# Altium PCB Motherboard.PcbDoc (part 3 of 3)
Units mm, origin at the board's own origin, x right, y up, seen from the top; angles counter-clockwise.
Board outline 66 x 126 mm, 6 copper layers (Top Layer, GND1, Signal, PWR, GND2, Bottom Layer), stack 1.496 mm thick; 239 components, 210 nets, 1046 pads, 630 vias.
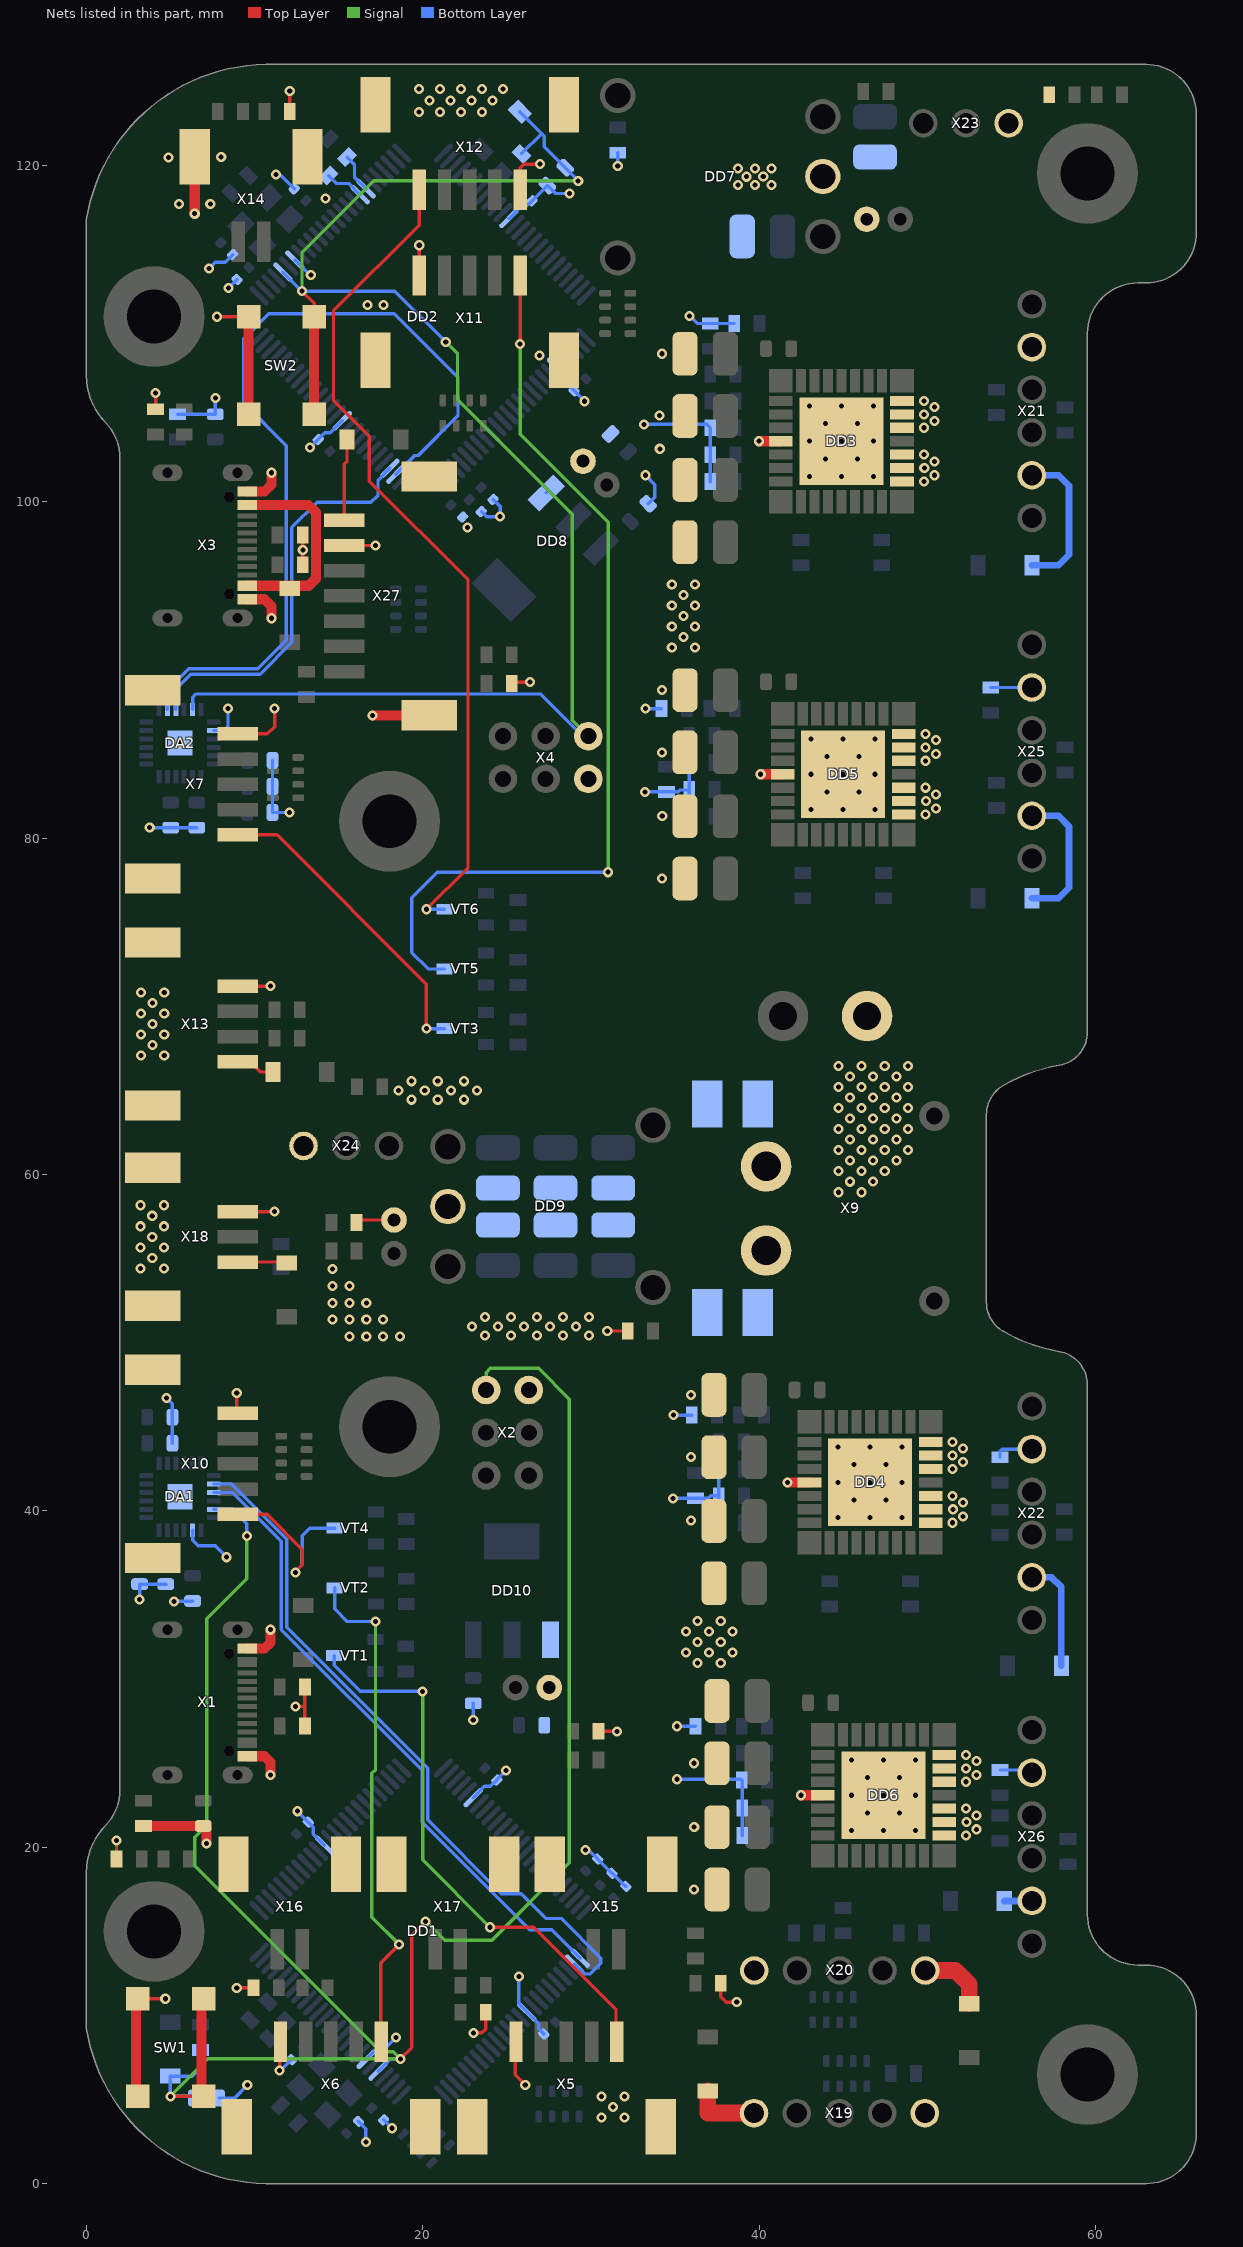
[diagram p7: the nets of this part, all layers, seen from the top]

## Via types
v1: diameter 0.6, hole 0.3, Top Layer to Bottom Layer, tented both sides, 626 vias
v2: diameter 0.6, hole 0.3, Top Layer to Bottom Layer, 4 vias

## Nets (pads, with @x,y where several pads share a name; then routed paths per layer and width w, separated by ;. In a path a pad name is that pad's centre, name@x,y a point inside that pad or via, vN(x,y) a via of type N, cw(c..) or ccw(c..) an arc to the next point about the centre after c; other vN are vias at no path point) (continued)
NetVD4_2: VD4.2 X3.9 | length 12.4
  Top Layer w0.6: X3.9@9.58,95.005 11.825,95.005 13.23,95.005 13.65,95.425 13.65,99.375 13.22,99.805 X3.9@9.58,99.805
NetVD7_1: VD7.1 X13.1 | length 2.4
  Top Layer w0.2: X13.1@8.95,66.7 9.75,66.7 10.35,66.1 VD7.1@11.1,66.1
NetVD8_1: VD8.1 X18.1 | length 3
  Top Layer w0.2: X18.1@8.95,54.8 11.875,54.8 VD8.1@11.925,54.75
NetVD9_1: VD9.1 X19.1 | length 4.1
  Top Layer w1: VD9.1@36.95,5.525 36.95,4.2 X19.1@39.7,4.2
NetVD10_1: VD10.1 X20.1 | length 4.1
  Top Layer w1: X20.1@49.88,12.68 51.67,12.68 52.5,11.85 VD10.1@52.5,10.7
NetVD11_1: VD11.1 X21.2 | length 9
  Bottom Layer w0.4: VD11.1@56.221,96.225 57.8,96.225 58.425,96.85 58.425,100.95 57.799,101.576 X21.2@56.221,101.576
NetVD12_1: VD12.1 X22.2 | length 6.7
  Bottom Layer w0.4: X22.2@56.221,36.056 57.394,36.056 57.975,35.475 VD12.1@57.975,30.8
NetVD13_1: VD13.1 X25.2 | length 8.6
  Bottom Layer w0.4: VD13.1@56.221,76.425 57.8,76.425 58.425,77.05 58.425,80.7 57.789,81.336 X25.2@56.221,81.336
NetVD14_1: VD14.1 X26.2 | length 1.6
  Bottom Layer w0.4: VD14.1@54.575,16.816 X26.2@56.221,16.816
NetVD15_1: VD15.1 X27.1 | length 4.9
  Top Layer w0.2: X27.1@15.35,98.9 15.35,102.225 15.5,102.375 VD15.1@15.5,103.7
NetVT1_3: VT1.3 X5.1 | length 33.6
  Top Layer w0.2: v1(24,15.25) 26.6,15.25 31.5,10.35 X5.1@31.5,8.45
  Signal w0.2: v1(20,29.275) 20,19.25 v1(24,15.25)
  Bottom Layer w0.2: VT1.3@14.74,31.405 14.74,30.835 16.3,29.275 v1(20,29.275)
NetVT2_3: VT2.3 X6.1 | length 30.2
  Top Layer w0.2: X6.1@17.5,8.45 17.5,13.125 v1(18.6,14.225)
  Signal w0.2: v1(17.2,33.425) 17.2,24.625 16.975,24.4 16.975,15.85 v1(18.6,14.225)
  Bottom Layer w0.2: VT2.3@14.765,35.43 14.765,34.185 15.525,33.425 v1(17.2,33.425)
NetVT3_3: VT3.3 X7.1 | length 18.7
  Top Layer w0.2: X7.1@8.95,80.2 11.35,80.2 20.225,71.325 v1(20.225,68.675)
  Bottom Layer w0.2: v1(20.225,68.675) VT3.3@21.29,68.675
NetVT4_3: VT4.3 X10.1 | length 10.7
  Top Layer w0.2: X10.1@8.95,39.8 10.75,39.8 12.85,37.7 12.85,37.079 12.839,37.069 12.839,36.798 12.45,36.409 v1(12.45,36.351)
  Bottom Layer w0.2: v1(12.45,36.351) 12.45,36.409 12.839,36.798 12.839,38.539 13.275,38.975 14.76,38.975 VT4.3@14.765,38.98
NetVT5_3: VT5.3 X11.1 | length 55.5
  Top Layer w0.2: v1(25.8,109.375) X11.1@25.8,113.45
  Signal w0.2: v1(25.8,109.375) 25.8,104 31.025,98.775 v1(31.025,77.975)
  Bottom Layer w0.2: VT5.3@21.29,72.225 20.325,72.225 19.35,73.2 19.35,76.45 20.875,77.975 v1(31.025,77.975)
NetVT6_3: VT6.3 X12.1 | length 50.3
  Top Layer w0.2: X12.1@19.8,118.55 19.8,116.45 14.7,111.35 14.7,106.025 16.825,103.9 16.825,101.231 22.7,95.356 22.7,78.25 v1(20.225,75.775)
  Bottom Layer w0.2: v1(20.225,75.775) VT6.3@21.29,75.775
NetX8_2: X8.2 X9.2
  other v1: 44.725,58.95 46.1,58.95 45.413,59.575 46.788,59.576 44.725,60.2 46.1,60.2 47.475,60.201 45.413,60.825 46.788,60.826 48.162,60.826 44.725,61.45 46.1,61.45 47.475,61.451 48.85,61.451 45.413,62.075 46.788,62.076 48.162,62.075 44.725,62.699 46.1,62.7 47.475,62.7 48.85,62.7 45.413,63.324 46.788,63.325 48.162,63.325 44.725,63.949 46.1,63.95 47.475,63.95 48.85,63.95 45.413,64.574 46.788,64.575 48.162,64.575 44.725,65.199 46.1,65.2 47.475,65.2 48.85,65.2 45.413,65.824 46.788,65.825 48.162,65.825 44.725,66.449 46.1,66.45 47.475,66.45 48.85,66.45
PGND: DD3.5 DD3.18 DD3.19 DD3.20 DD3.22 DD3.23 DD3.24 DD3.33 DD4.5 DD4.18 DD4.19 DD4.20 DD4.22 DD4.23 DD4.24 DD4.33 DD5.5 DD5.18 DD5.19 DD5.20 DD5.22 DD5.23 DD5.24 DD5.33 DD6.5 DD6.18 DD6.19 DD6.20 DD6.22 DD6.23 DD6.24 DD6.33 R102.1 R103.1 X9.1 С33.1 С34.1 С37.1 С38.1 С39.1 С40.1 С41.1 С42.1 С43.1 С44.1 С45.1 С46.1 С49.1 С50.1 С51.1 С52.1 | length 5.2
  Top Layer w0.6: v1(40,103.6) DD3.5@41.3,103.6 ; v1(40.1,83.8) DD5.5@41.4,83.8 ; v1(41.7,41.7) DD4.5@43,41.7 ; v1(42.5,23.1) DD6.5@43.8,23.1
  other v1: 36.125,17.5 52.3,20.7 45.5,21 47.4,21 49.3,21 52.925,21.075 36.146,21.221 52.325,21.5 52.925,21.9 46.45,22.05 48.35,22.05 52.3,22.3 45.5,23.1 47.4,23.1 49.3,23.1 52.3,23.9 46.45,24.15 48.35,24.15 52.925,24.3 52.3,24.7 36.125,25 52.925,25.125 45.5,25.2 47.4,25.2 49.3,25.2 52.3,25.5 36.35,30.95 37.725,30.95 35.663,31.575 37.038,31.575 38.412,31.575 36.35,32.2 37.725,32.2 35.663,32.825 37.038,32.825 38.412,32.825 36.35,33.45 37.725,33.45 51.5,39.3 35.966,39.421 44.7,39.6 46.6,39.6 48.5,39.6 52.125,39.675 51.525,40.1 52.125,40.5 45.65,40.65 47.55,40.65 51.5,40.9 44.7,41.7 46.6,41.7 48.5,41.7 51.5,42.5 45.65,42.75 47.55,42.75 52.125,42.9 35.945,43.2 51.5,43.3 52.125,43.725 44.7,43.8 46.6,43.8 48.5,43.8 51.5,44.1 35.945,46.9 34.225,77.6 34.246,81.321 49.9,81.4 43.1,81.7 45,81.7 46.9,81.7 50.525,81.775 49.925,82.2 50.525,82.6 44.05,82.75 45.95,82.75 49.9,83 43.1,83.8 45,83.8 46.9,83.8 49.9,84.6 44.05,84.85 45.95,84.85 50.525,85 34.225,85.1 49.9,85.4 50.525,85.825 43.1,85.9 45,85.9 46.9,85.9 49.9,86.2 34.225,88.8 34.813,91.325 36.187,91.325 35.5,91.95 34.813,92.575 36.187,92.575 35.5,93.2 34.813,93.825 36.187,93.825 35.5,94.45 34.813,95.075 36.187,95.075 49.8,101.2 43,101.5 44.9,101.5 46.8,101.5 50.425,101.575 49.825,102 50.425,102.4 43.95,102.55 45.85,102.55 49.8,102.8 34.1,103.15 43,103.6 44.9,103.6 46.8,103.6 49.8,104.4 43.95,104.65 45.85,104.65 50.425,104.8 34.075,105.125 49.8,105.2 50.425,105.625 43,105.7 44.9,105.7 46.8,105.7 49.8,106 34.225,108.8
RESET: DA1.23 DD1.30 R5.1 SW1.2 VD2.2 X2.5 С11.2 | length 124.7
  Top Layer w0.2: v1(5,5.2) SW1.2@6.85,5.2 ; v1(18.681,7.427) 19.35,8.096 19.35,14.775 v1(20.179,15.604)
  Top Layer w0.6: SW1.2@6.85,5.2 SW1.2@6.85,11
  Signal w0.2: v1(5,5.2) 7.227,7.427 v1(18.681,7.427) 18.257,7.85 17.5,7.85 6.45,18.9 6.45,20.6 7.175,21.325 7.175,33.6 9.55,35.975 v1(9.55,38.5) ; v1(20.179,15.604) 21.308,14.475 24.125,14.475 28.725,19.075 28.725,46.65 26.9,48.475 24.022,48.475 23.775,48.228 X2.5@23.775,47.19
  Bottom Layer w0.2: С11.2@6.4,5.1 6.3,5.2 v1(5,5.2) VD2.2@5,6.4 6.3,6.4 6.8,6.9 R5.1@6.8,7.95 ; DA1.23@7.575,40.1 8.704,40.1 9.55,39.254 v1(9.55,38.5) ; DD1.30@17.348,6.691 17.375,6.691 18.111,7.427 v1(18.681,7.427)
RESET_MCU2: DA2.23 DD2.30 R13.1 SW2.2 VD5.2 X4.5 С28.2 | length 98.6
  Top Layer w0.2: v1(12.825,112.525) 13.55,111.8 SW2.2@13.55,111
  Top Layer w0.6: SW2.2@13.55,105.2 SW2.2@13.55,111
  Signal w0.2: v1(12.825,112.525) 12.825,114.8 17.1,119.075 v1(29.25,119.075) ; v1(21.375,109.5) 22.075,108.8 22.075,106.075 28.9,99.25 28.9,87.02 X4.5@29.855,86.065
  Bottom Layer w0.2: DA2.23@6.325,87.65 6.325,88.375 6.525,88.575 27,88.575 X4.5@29.45,86.125 ; DD2.30@11.691,113.658 v1(12.825,112.525) 18.35,112.525 v1(21.375,109.5) ; VD5.2@25.779,123.186 27.082,121.882 ; R13.1@25.877,120.684 27.075,121.882 27.082,121.882 ; v1(29.25,119.075) 29.25,119.08 28.475,119.855 С28.2@28.475,119.861 27.236,121.099 27.236,121.729 27.082,121.882
Rx0_MCU1: DA1.20 DD1.3 | length 42
  Bottom Layer w0.2: DA1.20@7.575,41.6 8.65,41.6 11.925,38.325 11.925,33.09 20.3,24.715 20.3,21.633 24.683,17.25 25.858,17.25 27.333,15.775 28.241,15.775 30.6,13.416 30.6,13.1 29.975,12.475 29.623,12.475 29.043,13.055 DD1.3@29.016,13.055
Rx0_MCU2: DA2.20 DD2.2 | length 50.8
  Bottom Layer w0.2: DA2.20@4.825,87.65 4.825,88.81 6.09,90.075 10.2,90.075 11.9,91.775 11.9,103.325 9.35,105.875 9.35,109.675 10.85,111.175 18.325,111.175 22.1,107.4 22.1,105.1 19.75,102.75 19.522,102.75 DD2.2@18.409,101.637
SCL_MCU2: DD2.43 R16.2 | length 2.4
  Bottom Layer w0.2: R16.2@14.4,119.4 14.875,118.925 15.6,118.925 16.271,118.254 DD2.43@16.288,118.254
SDA_MCU2: DD2.44 R15.2 | length 2.4
  Bottom Layer w0.2: R15.2@15.5,120.5 15.95,120.05 15.95,119.299 DD2.44@16.641,118.607
SGND: DA1.2 DA2.2 DD1.11 DD1.32 DD1.62 DD1.81 DD2.11 DD2.32 DD2.62 DD2.81 DD7.2 DD8.1 DD9.2 DD10.1 R2.2 R3.2 R4.2 R10.2 R11.2 R12.2 R17.1 R18.2 R19.1 R21.1 R23.1 R24.2 R31.2 R32.2 R33.2 R34.2 R35.2 R36.2 R37.2 R38.2 R39.2 R40.2 R41.2 R42.2 R49.2 R51.2 R53.1 R54.1 R55.1 R56.1 R72.1 R74.1 R76.1 R78.1 R96.1 R97.1 R102.2 R103.2 SW1.1 SW2.1 VD3.2 VD6.2 VD16.2 VD17.1 VD18.2 VD19.1 VD20.2 VD21.1 VD22.2 VD23.1 X1.10 X2.6 X3.10 X4.6 X5.0 X5.5 X6.0 X6.5 X7.0 X7.5 X10.0 X10.5 X11.0 X11.5 X12.0 X12.5 X13.0 X13.4 X14.0 X15.0 X16.0 X17.0 X18.0 X18.3 X19.5 X20.5 X21.5 X22.5 X23.3 X24.3 X25.5 X26.5 X27.0 X27.2 С1.1 С2.1 С3.1 С4.2 С5.1 С6.2 С7.2 С8.1 С9.1 С10.1 С11.1 С12.1 С13.1 С14.1 С15.1 С16.1 С17.1 С18.1 С19.2 С20.1 С21.1 С22.1 С23.1 С24.1 С25.1 С26.1 С27.1 С28.1 С29.1 С30.1 С31.1 С32.1 С53.1 С54.1 С55.1 С56.1 С57.1 С58.1 С59.1 С60.1 С61.1 С62.1 С63.1 С64.1 | length 176.5
  Top Layer w0.2: VD3.2@1.8,19.3 v1(1.8,20.4) ; SW1.1@2.95,11 v1(4.7,11) ; VD6.2@4.125,105.5 v1(4.125,106.475) ; v1(7.775,111) SW2.1@9.65,111 ; v1(8.95,11.65) R76.1@9.95,11.65 ; X10.5@8.95,45.8 v1(8.95,47.025) ; X18.3@8.95,57.8 v1(11.2,57.8) ; X13.4@8.95,71.2 v1(10.95,71.2) ; X7.5@8.95,86.2 10.775,86.2 11.2,86.625 v1(11.2,87.7) ; v1(11.5,6.725) X6.5@11.5,8.45 ; R72.1@12.1,123.2 v1(12.1,124.425) ; v1(12.45,28.375) 13,28.375 ; R11.2@12.875,96.25 v1(12.875,97.138) R10.2@12.875,98.025 ; R2.2@13,27.225 13,28.375 ; R3.2@13,29.525 13,28.375 ; X27.2@15.35,97.4 v1(17.2,97.4) ; VD20.2@16.075,57.15 16.225,57.3 VD21.1@18.3,57.3 ; X11.5@19.8,113.45 v1(19.8,115.25) ; v1(23.025,8.975) 23.525,8.975 23.75,9.2 R78.1@23.75,10.2 ; VD16.2@25.3,89.2 25.375,89.275 v1(26.385,89.275) ; X5.5@25.5,8.45 25.5,6.475 v1(26.1,5.875) ; X12.5@25.8,118.55 25.8,119.85 26.025,120.075 v1(26.975,120.075) ; VD22.2@30.45,26.9 v1(31.55,26.9) ; v1(30.975,50.7) R97.1@32.19,50.7 ; R74.1@37.725,11.925 37.725,11.125 38.048,10.802 v1(38.677,10.802)
  Top Layer w0.6: SW1.1@2.95,5.2 SW1.1@2.95,11 ; R4.2@3.308,21.272 С4.2@6.955,21.272 7.1,21.272 7.15,21.222 v1(7.15,20.225) ; v1(6.45,117.125) X14.0@6.45,120.5 ; X1.10@9.58,25.42 10.599,25.42 10.95,25.069 v1(10.95,24.3) ; X1.10@9.58,31.82 10.599,31.82 10.95,32.171 v1(10.95,32.94) ; X3.10@9.58,94.205 10.595,94.205 11.025,93.775 v1(11.025,93.075) ; X3.10@9.58,100.605 10.605,100.605 11.025,101.025 v1(11.025,101.725) ; SW2.1@9.65,105.2 SW2.1@9.65,111 ; v1(17.025,87.3) X27.0@20.4,87.3
  Bottom Layer w0.2: v1(3.175,34.725) С14.1@3.175,35.65 С16.1@4.725,35.65 ; v1(3.775,80.625) С31.1@6.575,80.625 ; С16.1@4.641,35.625 С16.1@4.75,35.625 ; v1(4.775,46.725) 5.125,46.375 С13.1@5.125,44.025 ; v1(5.225,34.625) 5.237,34.637 6.312,34.637 С12.1@6.325,34.65 ; R12.2@5.425,105.2 С19.2@7.675,105.2 v1(7.675,106.175) ; DA1.2@6.325,38.85 6.325,38.25 6.65,37.925 7.675,37.925 v1(8.35,37.25) ; v1(7.3,113.875) 7.671,114.246 8.26,114.246 С22.1@8.707,114.693 ; DA2.2@7.575,86.4 8.2,86.4 8.425,86.625 v1(8.425,87.7) ; С11.1@7.9,5.1 8.825,5.1 9.575,5.85 v1(9.575,5.875) ; v1(8.45,112.7) С17.1@8.968,113.218 ; С27.1@11.075,84.625 С30.1@11.075,83.075 С32.1@11.075,81.525 v1(12.075,81.525) ; v1(11.275,119.45) 11.352,119.373 11.602,119.373 С23.1@12.368,118.607 ; v1(11.5,6.725) 11.527,6.725 12.18,7.379 С7.2@12.207,7.379 ; DD2.32@12.399,114.365 12.426,114.365 13.315,113.475 v1(13.35,113.475) ; v1(12.55,22.15) С5.1@13.2,21.5 13.5,21.2 13.5,20.793 DD1.62@14.166,20.127 ; v1(13.3,103.225) 13.305,103.225 13.787,103.707 С25.1@13.793,103.707 14.186,104.1 14.508,104.1 DD2.11@15.227,104.819 ; С6.2@16.182,3.707 16.625,3.264 v1(16.625,2.475) ; DD1.32@16.641,7.399 17.368,8.125 17.85,8.125 v1(18.425,8.7) ; С2.1@17.675,3.8 v1(18.175,3.3) ; DD1.81@23.005,22.955 23.675,23.625 24.032,23.625 С8.1@24.411,24.004 24.411,24.02 24.95,24.559 v1(24.95,24.575) ; v1(23.009,27.565) С63.1@23.009,28.565 ; С26.1@23.502,99.418 23.802,99.118 v1(24.607,99.118) 24.607,99.718 С24.1@24.182,100.143 ; DD2.62@25.127,116.84 25.154,116.84 25.814,117.5 26.114,117.5 С21.1@26.507,117.893 С28.1@27.414,118.8 27.435,118.8 27.907,118.328 v1(28.727,118.328) ; v1(25.725,12.325) 25.725,10.76 25.744,10.741 25.744,10.67 DD1.11@26.187,10.227 26.9,9.514 26.9,9.225 27.2,8.925 С3.1@27.2,8.9 ; DD2.81@27.955,108.001 28.625,107.331 28.625,106.975 v1(29.625,105.975) ; v1(29.675,19.85) 29.752,19.773 29.946,19.773 30.407,19.312 С9.1@30.407,19.307 С10.1@31.257,18.457 31.282,18.457 32.057,17.682 С1.1@32.082,17.682 ; v1(31.6,119.95) R96.1@31.6,120.75 ; v1(33.15,104.6) R33.2@35.6,104.6 36.9,104.6 R21.1@37.1,104.4 R31.2@37.1,102.8 R23.1@37.1,101.2 ; v1(33.225,82.75) R39.2@34.5,82.75 35.2,82.75 35.317,82.867 35.817,82.867 R41.2@35.85,82.9 ; v1(33.25,87.7) R37.2@34.2,87.7 ; v1(33.25,101.575) 33.8,101.025 33.8,100.275 С56.1@33.405,99.88 ; v1(34.875,40.75) 36.975,40.75 37.125,40.9 R32.2@37.6,40.9 ; v1(34.925,45.7) R36.2@36,45.7 ; v1(35.125,27.2) R38.2@36.225,27.2 ; v1@35.175,24.05 R40.2@37.525,24.05 38.925,24.05 R51.2@38.975,24 39,23.975 R54.1@39,20.7 ; R53.1@35.85,81.3 R41.2@35.85,82.9 ; R49.2@35.85,84.5 R41.2@35.85,82.9 ; v1(35.875,111.05) 36.325,110.6 R17.1@38.525,110.6 ; R24.2@37.6,39.3 R32.2@37.6,40.9 ; R19.1@37.6,42.5 R32.2@37.6,40.9 ; R55.1@53.775,88.956 X25.5@56.221,88.956 ; R56.1@54.325,24.6 56.058,24.6 X26.5@56.221,24.436 ; R18.2@54.325,43.2 54.325,43.55 54.451,43.676 X22.5@56.221,43.676
  Bottom Layer w1: VD21.1@18.2,57.4 VD21.1@18.3,57.3
  other v1: 30.638,3.95 32.012,3.95 31.325,4.575 30.638,5.2 32.012,5.2 35.125,24.05 15.65,50.375 16.65,50.375 17.65,50.375 18.65,50.375 23.7,50.425 25.25,50.425 26.8,50.425 28.35,50.425 29.9,50.425 22.925,50.975 24.475,50.975 26.025,50.975 27.575,50.975 29.125,50.975 14.65,51.375 15.644,51.381 16.65,51.375 17.65,51.375 23.7,51.525 25.25,51.525 26.8,51.525 28.35,51.525 29.9,51.525 14.65,52.375 15.65,52.375 16.65,52.375 14.65,53.375 15.65,53.375 14.65,54.375 3.238,54.425 4.613,54.425 3.925,55.05 3.238,55.675 4.613,55.675 3.925,56.3 3.238,56.925 4.613,56.925 3.925,57.55 3.238,58.175 4.613,58.175 19.35,64.45 20.9,64.45 22.45,64.45 18.575,65 20.125,65 21.675,65 23.225,65 19.35,65.55 20.9,65.55 22.45,65.55 3.263,67.075 4.637,67.075 3.95,67.7 3.263,68.325 4.637,68.325 3.95,68.95 3.263,69.575 4.637,69.575 3.95,70.2 3.263,70.825 4.637,70.825 22.675,98.475 26.95,108.7 16.725,111.7 17.675,111.7 5.525,117.7 7.375,117.7 14.225,118.025 38.75,118.825 39.75,118.825 40.75,118.825 39.25,119.325 40.25,119.335 38.75,119.825 39.75,119.825 40.75,119.825 4.9,120.475 8.025,120.5 19.775,123.163 21.025,123.163 22.275,123.163 23.525,123.163 20.4,123.85 21.65,123.85 22.9,123.85 24.15,123.85 19.775,124.538 21.025,124.538 22.275,124.538 23.525,124.538 24.775,124.538
  other v2: 5.575,40.85 5.575,85.65
Tx0_MCU1: DA1.21 DD1.2 | length 38.1
  Bottom Layer w0.2: DA1.21@7.575,41.1 8.69,41.1 11.6,38.19 11.6,32.951 19.975,24.576 19.975,21.483 26.355,15.102 27.676,15.102 DD1.2@29.369,13.409
Tx0_MCU2: DA2.21 DD2.3 | length 23.9
  Bottom Layer w0.2: DA2.21@5.325,87.65 5.325,88.85 6.225,89.75 9.81,89.75 10.335,89.75 12.225,91.64 12.225,98.474 13.726,99.975 16.925,99.975 17.35,100.4 17.35,101.285 DD2.3@18.055,101.99
pads on no net: DA1.1 DA1.9 DA1.10 DA1.11 DA1.12 DA1.13 DA1.14 DA1.15 DA1.16 DA1.17 DA1.18 DA1.19 DA1.22 DA1.24 DA2.1 DA2.9 DA2.10 DA2.11 DA2.12 DA2.13 DA2.14 DA2.15 DA2.16 DA2.17 DA2.18 DA2.19 DA2.22 DA2.24 DD1.4 DD1.8 DD1.9 DD1.14 DD1.23 DD1.24 DD1.25 DD1.27 DD1.28 DD1.29 DD1.38 DD1.39 DD1.40 DD1.41 DD1.42 DD1.47 DD1.48 DD1.49 DD1.50 DD1.51 DD1.52 DD1.53 DD1.54 DD1.65 DD1.66 DD1.67 DD1.68 DD1.69 DD1.70 DD1.71 DD1.72 DD1.73 DD1.74 DD1.75 DD1.79 DD1.85 DD1.86 DD1.87 DD1.88 DD1.89 DD1.90 DD1.91 DD1.92 DD1.93 DD1.94 DD1.95 DD1.96 DD2.4 DD2.8 DD2.9 DD2.14 DD2.19 DD2.25 DD2.27 DD2.28 DD2.29 DD2.35 DD2.36 DD2.37 DD2.38 DD2.39 DD2.40 DD2.41 DD2.42 DD2.47 DD2.48 DD2.49 DD2.50 DD2.51 DD2.52 DD2.53 DD2.54 DD2.55 DD2.56 DD2.57 DD2.58 DD2.59 DD2.60 DD2.63 DD2.64 DD2.65 DD2.66 DD2.67 DD2.68 DD2.69 DD2.70 DD2.71 DD2.72 DD2.73 DD2.74 DD2.75 DD2.76 DD2.77 DD2.78 DD2.79 DD2.82 DD2.83 DD2.84 DD2.85 DD2.86 DD2.87 DD2.88 DD2.89 DD2.90 DD2.91 DD2.92 DD2.93 DD3.9 DD3.17 DD3.25 DD4.9 DD4.17 DD4.25 DD5.9 DD5.17 DD5.25 DD6.9 DD6.17 DD6.25 DD7.5 DD8.4 DD9.5 DD10.4 R57.7 R57.8 R58.7 R58.8 R59.7 R59.8 R64.7 R64.8 R66.7 R66.8 R68.7 R68.8 R81.7 R81.8 R83.7 R83.8 X1. X1.1 X1.7 X3. X3.1 X3.7 X9.0 XT1.2 XT1.4 XT2.2 XT2.4
copper on no net:
  other v1: 14.725,16.175 10.175,18.025

## Polygon pours and split planes (outlines as drawn)
SGND on Top Layer "Dec_TOP" (solid, remove dead copper, pour order 210): 0,0 66.006,0 66.006,126.006 0,126.006
+5В on Top Layer "+5В_L01_P208" (solid, pour order 208): 35.175,8.275 35.175,9.5 36.025,10.35 37.9,10.35 38.725,9.525 38.725,8.275
+5В on Top Layer "+5В_L01_P209" (solid, pour order 209): 54.275,7.95 54.275,6.725 53.425,5.875 51.55,5.875 50.725,6.7 50.725,7.95
NetR12_1 on Top Layer "NETR12_1_L01_P206" (solid, pour order 206): 9.975,103.01 2.1,103.01 2.1,92.31 2.66,91.75 9.965,91.75 10.525,92.31 10.525,102.46
SGND on Top Layer "SGND_L01_P201" (solid, pour order 201): 16.3,106.75 18.1,106.75 18.1,111.875 17.7,112.275 16.7,112.275 16.3,111.875
NetR4_1 on Top Layer "NETR4_1_L01_P190" (solid, pour order 190): 9.975,34.225 2.1,34.225 2.1,23.525 2.1,22.825 2.5,22.425 3.2,22.425 9.425,22.425 10.525,23.525 10.525,33.675
+3S on Top Layer "Top Layer-+3S" (solid, pour order 173): 22.998,62.1 31.775,62.1 32.425,62.75 32.425,63.434 33.191,64.2 35.15,64.2 35.15,62.1 35.15,50.035 36.248,48.85 38.975,48.85 38.975,34.4 39.15,34.4 39.15,15.125 39.525,14.75 45.225,14.75 46.1,15.625 46.1,20.2 45.5,20.2 42,20.6 42,21.55 44.5,21.55 44.5,24.6 42,24.65 42,26.875 45.5,26 46.1,26 46.1,31.375 45.3,32.175 45.3,38.8 44.7,38.8 41.2,39.225 41.2,40.175 43.7,40.175 43.7,43 41.2,43.25 41.2,45.425 44.7,44.6 45.3,44.6 45.3,48.85 44.725,49.425 44.725,72.33 43.846,72.33 43.85,72.334 43.862,74.762 43.7,74.925 43.7,80.9 43.1,80.9 39.6,81.325 39.6,82.25 42.074,82.099 42.1,82.125 42.1,85.1 39.6,85.325 39.601,85.7 39.6,87.45 39.9,87.575 40.373,87.628 41.525,86.7 43.7,86.7 43.7,95.25 43.6,96.125 43.6,100.7 43,100.7 39.501,101.1 39.5,101.101 39.5,102.099 41.974,102.099 42,102.125 42,105.1 39.501,105.1 39.5,105.101 39.5,107.101 39.745,107.101 40.273,107.628 41.401,106.5 43.6,106.5 43.6,110.25 43.6,112.822 45.4,114.397 45.4,116.975 44.725,117.65 42.55,117.65 37.25,112.35 37.25,96.3 37.25,75.3 34.649,72.699 34.649,68.371 33.798,67.525 31.525,67.525 28.825,64.825 23.8,64.825 22.575,63.6 22.575,62.523
NetX8_2 on Top Layer "NETX8_2_L01_P099" (solid, pour order 99): 44.05,72.35 44.05,66.075 42.45,64.475 39.175,64.475 37.6,62.9 37.6,59.275 38.875,58 46.575,58 49.45,60.875 49.45,70.75 47.85,72.35
MOTOR1_A on Top Layer "MOTOR1_A_L01_P100" (solid, pour order 100): 43.805,100.708 46.805,100.708 46.805,98.683 47.904,98.683 53.511,98.683 53.517,99.87 54.276,100.625 57.5,100.625 58.225,99.9 58.225,96.475 56.125,94.375 45.4,94.375 43.805,95.97
MOTOR4_B on Top Layer "MOTOR4_B_L01_P117" (solid, pour order 117): 46.3,26 49.3,26 49.3,27.65 50.15,28.5 51.625,28.5 54.625,25.5 57.5,25.5 58.25,26.25 58.25,28.5 56.225,30.525 54.85,30.525 53.175,32.2 48.6,32.2 46.3,29.9
MOTOR1_B on Top Layer "MOTOR1_B_L01_P103" (solid, pour order 103): 43.8,106.5 46.8,106.5 46.8,108.05 48.875,110.125 56.225,110.125 57.5,110.125 58.25,110.875 58.25,113.075 57.5,113.825 47.375,113.825 43.8,110.25
MOTOR4_A on Top Layer "MOTOR4_A_L01_P116" (solid, pour order 116): 46.3,20.2 49.3,20.2 49.3,18.675 50.35,17.625 53.6,17.625 55.35,15.875 57.5,15.875 58.25,15.125 58.25,13.075 57.5,12.325 53.875,12.325 52.125,14.075 47.85,14.075 46.3,15.625
MOTOR3_A on Top Layer "MOTOR3_A_L01_P118" (solid, pour order 118): 45.5,38.8 48.5,38.8 48.5,36.3 54.5,36.3 55.45,35.35 55.75,35.125 57.5,35.125 58.25,34.375 58.25,32.427 58.25,31.675 57.5,30.925 55.05,30.925 53.375,32.6 46,32.6 45.5,33.1
MOTOR3_B on Top Layer "MOTOR3_B_L01_P119" (solid, pour order 119): 45.5,46 45.5,44.6 48.5,44.6 48.5,46.25 49.35,47.1 51.325,47.1 53.8,44.625 57.5,44.625 58.25,45.375 58.25,47.85 57.526,48.575 55.175,48.575 53.4,50.35 47,50.35 45.5,48.85
PGND on Top Layer "Top Layer-PGND" (solid, pour order 110): 36.95,16.2 38.25,16.2 38.25,30 38.825,30 38.825,34.4 38.07,34.4 38.07,48.2 36.775,48.2 35.445,46.87 35.445,34.4 35.25,34.205 35.25,30.375 35.625,30 35.625,17.525
PGND on Top Layer "PGND_L01_P115" (solid, pour order 115): 50.3,25.8 52.525,25.8 cw(c52.525,25.1) 53.225,25.1 53.225,24.275 cw(c52.55,24.275) 52.55,23.6 50.3,23.6
PGND on Top Layer "PGND_L01_P114" (solid, pour order 114): 50.3,22.6 52.525,22.6 cw(c52.525,21.9) 53.225,21.9 53.225,21.075 cw(c52.55,21.075) 52.55,20.4 50.3,20.4
PGND on Top Layer "PGND_L01_P113" (solid, pour order 113): 49.5,44.4 51.725,44.4 cw(c51.725,43.7) 52.425,43.7 52.425,42.875 cw(c51.75,42.875) 51.75,42.2 49.5,42.2
PGND on Top Layer "PGND_L01_P112" (solid, pour order 112): 49.5,41.2 51.725,41.2 cw(c51.725,40.5) 52.425,40.5 52.425,39.675 cw(c51.75,39.675) 51.75,39 49.5,39
MOTOR2_A on Top Layer "MOTOR2_A_L01_P109" (solid, pour order 109): 43.9,80.9 46.9,80.9 46.9,78.875 ccw(c47.449,78.874) 47.45,78.325 53.339,78.325 53.825,78.325 53.825,79.625 54.575,80.375 55.875,80.375 56.25,80.375 57.5,80.375 58.225,79.65 58.225,76 56.85,74.625 45.575,74.625 43.9,76.3
PGND on Top Layer "PGND_L01_P107" (solid, pour order 107): 47.905,83.305 50.13,83.305 cw(c50.13,82.605) 50.83,82.605 50.83,81.78 cw(c50.155,81.78) 50.155,81.105 47.905,81.105
PGND on Top Layer "PGND_L01_P108" (solid, pour order 108): 47.9,86.5 50.125,86.5 cw(c50.125,85.8) 50.825,85.8 50.825,84.975 cw(c50.15,84.975) 50.15,84.3 47.9,84.3
MOTOR2_B on Top Layer "MOTOR2_B_L01_P106" (solid, pour order 106): 43.896,86.7 46.896,86.7 46.896,88.375 48.398,89.877 56.252,89.877 57.502,89.877 58.25,90.625 58.25,93.425 57.5,94.175 46.05,94.175 43.896,92.021
PGND on Top Layer "PGND_L01_P104" (solid, pour order 104): 36.35,90.1 36.8,90.1 36.8,96.3 36.35,96.3 36.35,110.125 35.075,110.125 33.75,108.8 33.75,77.375 34.85,76.275 36.35,76.275
PGND on Top Layer "PGND_L01_P102" (solid, pour order 102): 47.8,106.3 50.025,106.3 cw(c50.025,105.6) 50.725,105.6 50.725,104.775 cw(c50.05,104.775) 50.05,104.1 47.8,104.1
PGND on Top Layer "PGND_L01_P101" (solid, pour order 101): 47.8,103.1 50.025,103.1 cw(c50.025,102.4) 50.725,102.4 50.725,101.575 cw(c50.05,101.575) 50.05,100.9 47.8,100.9
SGND on Bottom Layer "Dec_BOT" (solid, remove dead copper, pour order 211): 0,0 0,126 66.006,126 66.006,0
NetR4_1 on Bottom Layer "NETR4_1_L06_P207" (solid, pour order 207): 2.76,23.065 10.05,23.065 10.525,23.54 10.525,33.815 10.24,34.1 2.825,34.1 2.125,33.4 2.125,23.7
NetR12_1 on Bottom Layer "NETR12_1_L06_P192" (solid, pour order 192): 2.6,91.85 10.05,91.85 10.525,92.325 10.525,102.6 9.95,103.175 9.525,103.175 8.65,104.05 4.35,104.05 2.125,101.825 2.125,92.325
+3S on Bottom Layer "Bottom Layer-+3S" (solid, pour order 189): 21.734,30.015 22.034,29.715 24.009,29.715 24.234,29.94 24.234,33.474 25.16,34.4 33.25,34.4 33.585,34.065 34.965,34.065 35.425,34.525 35.425,37.125 35.075,37.475 34.25,37.475 33.275,36.5 23.25,36.5 21.734,34.984 21.734,34.065
+3S on Bottom Layer "+3S_L06_P149" (solid, pour order 149): 32.725,91.384 33,91.109 33.5,91.109 33.7,91.309 33.7,94.659 32.6,95.759 32.6,96.934 33.05,97.384 33.45,97.784 33.45,98.168 32.049,99.569 31.68,99.201 30.624,99.201 29.065,97.641 28.382,96.959 32.725,92.616
+5В_MCU2 on Bottom Layer "+5В_MCU2_L06_P147" (solid, pour order 147): 31.275,102.509 31.275,102.075 31.125,101.925 30.6,101.925 29.435,100.76 29.435,100.36 27.7,98.625 28.7,97.625 30.435,99.36 31.31,99.36 32.16,100.21 33.573,101.623 33.576,103.173 32.76,103.994
PGND on Bottom Layer "Bottom Layer-PGND" (solid, pour order 164): 34.875,30.2 37.1,27.975 41.885,27.975 41.851,19.941 43.101,20.401 43.101,18.507 52.882,18.507 53.525,19.15 53.525,51.088 53.525,64 52.25,65.275 52.25,102.9 51.625,103.525 50.975,103.525 50.975,106.675 49.475,108.175 39.35,108.175 39.35,100.425 39.025,100.425 34.375,95.775 34.375,90.625 36.525,88.475 36.525,80.8 39.65,80.8 39.65,80.65 39.025,80.025 39.025,65.775 39.025,49.325 41.064,47.286 41.064,38.525 39.875,38.525 34.875,33.525
+5В_MCU on Bottom Layer "+5В_MCU_L06_P152" (solid, pour order 152): 26.084,26.765 26.084,26.19 24.984,26.19 24.384,26.79 24.384,30.768 24.759,31.243 24.759,33.415 25.859,33.415 25.859,31.265 26.009,31.115 26.009,28.854 26.009,27.765 26.084,27.765
+5В on Bottom Layer "+5В_L06_P154" (solid, pour order 154): 29,55.35 29.132,55.218 29.132,55.132 29.7,55.132 29.7,55.35 32.3,55.35 32.3,52.375 18.75,52.375 16.825,54.3 16.825,56.075 22.375,56.075 23.1,55.35 25.7,55.35 25.7,55.132 25.757,55.075 26.291,55.075 26.304,55.118 26.4,55.35
+3S on Bottom Layer "+3S_L06_P156" (solid, pour order 156): 32.3,60.85 23.1,60.85 22.4,60.15 17.225,60.15 16.6,60.775 16.6,62.85 17.575,63.825 32.3,63.825
+5В on PWR "+5В_L04_P186" (solid, remove dead copper, pour order 186): 66.006,126 66.006,0 0,0 0,126
+5В_MCU2 on PWR "+5В_MCU2_L04_P184" (solid, remove dead copper, pour order 184): 31.525,99 31.025,99 27.75,95.725 27.75,82.909 26.766,81.925 23.272,81.925 7.6,81.925 5.825,80.15 0,80.15 0,126.4 32.605,126.4 32.605,100.08
+5В_MCU on PWR "+5В_MCU_L04_P185" (solid, remove dead copper, pour order 185): 5.575,40.975 5.575,45.25 3.775,47.05 0,47.05 0,0 31.325,0 31.325,22.125 28.85,24.6 28.85,42.4 27.45,43.8 22.675,43.8 21.35,42.475 21.35,29.825 16.725,29.825
NetX8_2 on PWR "NETX8_2_L04_P182" (solid, pour order 182): 39.625,63.875 37.875,62.125 37.875,58.95 38.925,57.9 46.15,57.9 49.4,61.15 49.4,67.541 49.4,70.925 48.3,72.025 44.55,72.025 44.125,71.6 44.125,65.65 42.35,63.875
+3S on PWR "+3S_L04_P183" (solid, pour order 183): 37.1,25.913 34.3,28.713 34.3,37.225 37.1,40.025 37.1,44.967 33.25,48.817 33.25,90.65 32.7,91.2 32.7,94.7 37.1,99.1 37.1,101.664 37.1,114.55 40.585,118.035 53.521,118.035 53.521,16.746 52.125,15.35 39.4,15.35 37.1,17.65
SGND on GND2 "SGND_L05_P181" (solid, remove dead copper, pour order 181): 0,0 66.006,0 66.006,126.006 0,126.006
PGND on GND2 "PGND_L05_P180" (solid, remove dead copper, pour order 180): 47.3,110.45 50.5,107.25 53.522,107.25 53.52,15.6 37.425,15.6 35.8,17.225 35.8,29.275 34.825,30.25 34.825,33.875 35.625,34.675 35.625,75.5 33.8,77.325 33.8,108.85 35.4,110.45
PGND on GND1 "PGND_L02_P212" (solid, remove dead copper, pour order 212): 47.325,110.425 50.5,107.25 53.522,107.25 53.52,15.6 37.425,15.6 35.8,17.225 35.8,29.275 34.825,30.25 34.825,33.875 35.625,34.675 35.625,75.5 33.825,77.3 33.825,108.875 35.375,110.425
SGND on GND1 "SGND_L02_P213" (solid, remove dead copper, pour order 213): 0,0 66.006,0 66.006,126.006 0,126.006

## Keep-outs
Keep-Out Layer:
  the board outline again, w0.1

## Other copper
Top Layer:
  pour cut-out: 16.75,99.5 17.183,99.933 17.183,100.44 16.243,99.5 15.656,99.5
  pour cut-out: 14.135,99.5 13.95,99.315 13.95,89.3 16.75,89.3 16.75,99.5
  pour cut-out: 8.45,116.85 11.15,116.85 11.15,114.175 8.45,114.175
  pour cut-out: 25.1,120.4 19.2,120.4 19.2,117.025 25.1,117.025
  pour cut-out: 20.5,111.95 26.4,111.95 26.4,114.95 20.5,114.95
  pour cut-out: 7.5,85.5 7.5,79.6 10.5,79.6 10.5,85.5
  pour cut-out: 7.5,70.5 7.5,66.1 10.5,66.1 10.5,70.5
  pour cut-out: 7.5,57.1 7.5,54.2 10.5,54.2 10.5,57.1
  pour cut-out: 7.5,45.1 7.5,39.2 10.4,39.2 10.4,45.1 10.206,45.1
  pour cut-out: 12.25,9.625 18.15,9.625 18.15,6.95 12.25,6.95
  pour cut-out: 25.158,12.774 26.425,12.774 26.425,11.926 25.158,11.926
  pour cut-out: 32.15,9.85 26.25,9.85 26.25,7.05 32.15,7.05
  pour cut-out: 11.8,9.55 11.8,10.675 12.025,10.9 15.75,10.9 16.775,9.875 16.775,9.575 11.8,9.575 11.775,9.55
  pour cut-out: 10.515,93.385 7.863,93.385 7.863,101.425 10.515,101.425
  pour cut-out: 7.972,24.6 7.972,27.128 7.55,27.55 7.55,29.25 7.972,29.672 7.972,32.64 10.44,32.64 10.45,32.65 10.45,24.6
GND1:
  pour cut-out: 22.237,62.64 23.492,63.895 32.953,63.895 32.953,62.422 32.675,62.143 22.618,62.143 22.237,62.525
  pour cut-out: 22.237,53.58 23.492,52.325 32.953,52.325 32.953,53.798 32.675,54.077 22.618,54.077 22.237,53.695
  pour cut-out: 35.6,64.525 37.4,64.525 37.4,51.525 35.6,51.525
PWR:
  pour cut-out: 53.725,25.324 53.725,20.876 53.124,20.876 52.925,21.075 52.925,25.125 53.124,25.324
  pour cut-out: 44.7,25.8 50.1,25.8 50.1,20.4 44.7,20.4
  pour cut-out: 43.9,44.4 49.3,44.4 49.3,39 43.9,39
  pour cut-out: 42.2,106.3 47.6,106.3 47.6,100.9 42.2,100.9
  pour cut-out: 42.3,86.5 47.7,86.5 47.7,81.1 42.3,81.1
  pour cut-out: 20.125,55.95 22.85,55.95 22.85,53.825 22.125,53.1 20.875,53.1 20.125,53.85
GND2:
  pour cut-out: 22.237,62.64 23.492,63.895 32.953,63.895 32.953,62.422 32.675,62.143 22.618,62.143 22.618,62.259
  pour cut-out: 22.237,53.58 23.492,52.325 32.953,52.325 32.953,53.798 32.675,54.077 22.618,54.077 22.618,53.961
Bottom Layer:
  pour cut-out: 22.5,46.45 22.5,48.175 22.925,48.6 24.625,48.6 25,48.225 25,46.5 24.95,46.45
  pour cut-out: 28.2,86.8 28.875,87.475 30.45,87.475 31.1,86.825 31.1,85.5 30.4,84.8 28.6,84.8 28.2,85.2 28.2,86.825
  pour cut-out: 23.45,87.925 23.45,82.85 24.1,82.2 28.4,82.2 28.6,82.4 28.6,86.4 26.95,88.05 23.575,88.05
  pour cut-out: 45.675,121.275 43.225,121.275 42.1,122.4 42.1,125.725 42.275,125.9 46.884,125.9 47.029,125.756 47.029,122.629
  pour cut-out: 25.417,119.517 26.675,120.775 27.25,120.775 27.25,120.475 28,119.725 26.6,118.325 26.6,118.334
  pour cut-out: 8.895,117.655 9.349,117.655 10.898,119.204 11.112,118.99 11.985,118.99 11.985,118.11 10.9,117.025 9.525,117.025
  pour cut-out: 11.451,6.714 11.562,6.825 13.114,6.825 13.813,6.127 13.273,5.587 13.273,4.101 13.074,4.101 11.3,5.875 11.513,6.088 11.513,6.725
  pour cut-out: 17.835,4.313 17.835,4.297 18.733,3.4 18.781,3.4 20.053,4.672 19.575,5.15 18.672,5.15
  pour cut-out: 25.625,6.3 25.65,6.275 26.9,6.275 27.034,6.141 27.034,2.939 26.895,2.8 25.8,2.8 25.65,2.95 25.65,6.275
  pour cut-out: 10.611,15.474 10.618,15.467 10.618,14.56 10.765,14.56 19.7,5.625 20.45,5.625 27.525,12.7 18.925,21.3 16.253,21.3 10.488,15.535
  pour cut-out: 13.539,114.264 19.725,120.45 20.35,120.45 29.022,111.778 23.432,106.189 21.615,106.189
  pour cut-out: 28.125,41.125 28.125,46.45 22.5,46.45 22.5,41.125
  pour cut-out: 2.261,46.097 6.15,46.097 6.15,47.75 2.261,47.75
  pour cut-out: 2.975,84.05 2.975,79.949 4.325,79.949 4.325,84.05
  pour cut-out: 4.175,87.05 4.175,84.25 4.226,84.301 6.924,84.301 6.924,86.999 6.975,87.05
  pour cut-out: 4.226,39.501 6.924,39.501 6.975,39.45 6.975,42.25 4.175,42.25 4.226,42.199
  pour cut-out: 38.743,62.65 41.05,62.65 42.25,61.45 42.25,59.5 41.375,58.625 38.743,58.625
  pour cut-out: 8.7,34.1 7.125,34.1 7.125,24.6 8.7,24.6
  pour cut-out: 25.625,56.6 29.925,56.6 29.925,55 25.625,55
  pour cut-out: 10.525,101.421 7.855,101.421 7.855,93.385 10.525,93.385
  pour cut-out: 29.966,100.582 29.673,100.289 29.673,100.145 29.601,100.217 29.435,100.383 29.435,100.76 29.724,101.049 29.788,101.049 29.888,100.949 29.888,100.86
  pour cut-out: 25.625,61.2 29.925,61.2 29.925,59.6 25.625,59.6
  pour cut-out: 32.3,59.95 22.2,59.95 23.1,60.85 32.3,60.85
  pour cut-out: 32.3,56.25 22.2,56.25 23.1,55.35 32.3,55.35
  pour cut-out: 19.193,56.381 17.407,56.381 17.407,56.075 19.193,56.075
  pour cut-out: 41.751,27.601 42.901,27.601 43.101,27.401 43.099,27.399 43.099,24.201 42.51,24.201 41.914,23.605 41.751,23.441 41.751,22.776 42.526,22.001 43.101,22.001 43.101,20.401 42.626,19.926 41.751,19.926
  pour cut-out: 40.95,46.2 42.1,46.2 42.3,46 42.299,45.999 42.299,42.8 41.71,42.8 41.114,42.204 40.95,42.04 40.95,41.375 41.725,40.6 42.3,40.6 42.3,39 41.825,38.525 40.95,38.525
  pour cut-out: 32.3,64.156 34.25,64.225 34.94,63.535 34.94,62.29 34.25,61.6 32.3,61.6
  pour cut-out: 32.3,52.069 34.25,52 34.94,52.69 34.94,53.935 34.25,54.625 32.3,54.625
  pour cut-out: 26.035,26.186 26.035,26.477 26.084,26.477 26.084,26.186
  pour cut-out: 26.384,27.765 26.384,29.24 26.434,29.29 26.951,28.773 26.951,27.765
  pour cut-out: 36.525,88.475 39.798,88.475 40.7,87.573 40.7,85.097 40.503,84.9 40.033,84.9 39.292,84.159 39.292,83.433 40.025,82.7 40.497,82.7 40.7,82.497 40.7,81.125 40.175,80.6 37.9,80.6 36.525,81.975 36.525,88.4

## Silkscreen, mask and mechanical layers (free items; w line width, h text height)
Top Overlay:
  drawing of 1045 lines, arcs and shapes, not listed
  text "SIG" at 48.49,118.55 h1.5
  text "+5В" at 51.025,118.55 h1.5
  text "GND" at 53.55,118.55 h1.5
  text "LASER1" at 14.9,116.625 h1.5
  text "SERVO PWR" at 64.975,116.475 h1.5 r90
  text "LIMIT SWITCH 1" at 4.981,114.6 h1.3 r90
  text "LASER2" at 14.9,114.15 h1.5
  text "M1" at 46.408,111.395 h2.5
  text "MCU1" at 3.395,103.425 h1.5 r90
  text "USB IN MCU1" at 2.35,102.325 h1.5
  text "DISPLAY" at 23.275,95.7 h1.5 r90
  text "M2" at 46.282,93.02 h2.5
  text "MCU2 PWR" at 23.22,91.63 h1.5
  text "LASER3" at 5.75,89.1 h1.5
  text "SCK" at 26.34,87.34 h1.2
  text "RST" at 28.59,87.34 h1.2
  text "MISO" at 23.505,87.335 h1.2
  text "+5В" at 23.505,81.15 h1.2
  text "MOSI" at 25.915,81.155 h1.2
  text "GND" at 28.64,81.155 h1.2
  text "ICSP MCU1" at 23.505,79.58 h1.5
  text "GYRO" at 5.75,74.1 h1.5
  text "PWR SWITCH" at 38.925,72.025 h1.6
  text "PWR IN" at 53.164,65.221 h2 r90
  text "LIGHT S" at 5.75,60.7 h1.5
  text "+" at 38.825,57.986 h3 r90
  text "SPWR" at 13.3,53.12 h1.5
  text "-" at 38.825,53.036 h4 r90
  text "ICSP MCU2" at 21.415,48.765 h1.5
  text "LASER4" at 5.75,48.7 h1.5
  text "M3" at 46.273,48.21 h2.5
  text "GND" at 28.685,45.975 h1.2 r90
  text "RST" at 22.5,45.925 h1.2 r90
  text "SCK" at 22.5,43.675 h1.2 r90
  text "MOSI" at 28.685,43.25 h1.2 r90
  text "MISO" at 22.505,40.84 h1.2 r90
  text "+5В" at 28.69,40.84 h1.2 r90
  text "®" at 18.375,39.47 h2 r90
  text "USB IN MCU2" at 2.35,33.7 h1.5
  text "M4" at 46.25,30.021 h2.5
  text "MCU1 PWR" at 28.375,27.635 h1.5
  text "StarLine" at 20.775,23.195 h6 r90
  text "BTN 1" at 9.9,20.7 h1.5
  text "BTN 2" at 19.3,20.7 h1.5
  text "LIMIT SWITCH 2" at 28.45,20.694 h1.3
  text "MCU2" at 7.725,17.25 h1.2 r90
  text "GND" at 38.45,8.45 h1.2
  text "RST" at 40.975,8.45 h1.2
  text "RX" at 43.525,8.45 h1.2
  text "TX" at 46.075,8.45 h1.2
  text "VCC" at 48.6,8.45 h1.2
  text "CAMERA2" at 40.975,7.645 h1.2
  text "VCC" at 38.43,0.61 h1.2
  text "TX" at 40.955,0.61 h1.2
  text "RX" at 43.505,0.61 h1.2
  text "RST" at 46.055,0.61 h1.2
  text "GND" at 48.58,0.61 h1.2
  text "CAMERA1" at 52.25,0.61 h1.2 r90
  text "LASER5" at 10.1,0.45 h1.5
  text "LASER6" at 24.1,0.45 h1.5
Mechanical 1:
  circle w0.013: c48.251,13.406 r0.325
  circle w0.013: c46.251,13.006 r0.325
  circle w0.013: c4.036,15.006 r1.5
  circle w0.013: c44.521,120.736 r0.5
  circle w0.013: c44.521,120.736 r0.5
  circle w0.013: c50.421,52.486 r0.5
  circle w0.013: c56.221,111.736 r0.325
  circle w0.013: c56.221,26.976 r0.325
  circle w0.013: c40.421,60.486 r0.85
  circle w0.013: c54.921,70.236 r0.8
  circle w0.013: c40.421,55.486 r0.85
  circle w0.013: c56.221,91.496 r0.325
  circle w0.013: c56.221,46.216 r0.325
  circle w0.013: c50.421,63.486 r0.5
  circle w0.013: c49.921,70.236 r0.8
  circle w0.013: c59.521,119.521 r1.5
  circle w0.013: c18.036,81.006 r1.5
  circle w0.013: c18.036,45.006 r1.5
  circle w0.013: c59.521,6.491 r1.5
  circle w0.013: c4.036,111.006 r1.5
  circle w0.013: c50.421,52.486 r0.5
  circle w0.013: c40.421,60.486 r0.85
  circle w0.013: c40.421,55.486 r0.85
  circle w0.013: c50.421,63.486 r0.5
  circle w0.013: c49.921,70.236 r0.8
  circle w0.013: c56.221,111.736 r0.325
  circle w0.013: c56.221,26.976 r0.325
  circle w0.013: c54.921,70.236 r0.8
  circle w0.013: c56.221,91.496 r0.325
  circle w0.013: c56.221,46.216 r0.325
  circle w0.013: c59.521,119.521 r1.5
  circle w0.013: c18.036,81.006 r1.5
  circle w0.013: c18.036,45.006 r1.5
  circle w0.013: c59.521,6.491 r1.5
  circle w0.013: c4.036,111.006 r1.5
  lines w0.013: 10.664,0.006 cw(c10.865,11.005) 0.006,9.246 ; 0.006,9.246 ccw(c10.865,11.005) 10.663,0.006 ; 0.006,9.246 0.006,18.507 ; 0.006,9.246 0.006,18.507 ; 0.006,18.507 cw(c4.006,18.507) 1.149,21.307 ; 0.006,18.507 cw(c4.006,18.507) 1.149,21.307 ; 0.006,107.505 ccw(c4.006,107.505) 1.149,104.706 ; 0.006,107.505 ccw(c4.006,107.505) 1.149,104.706 ; 0.006,107.505 0.006,116.767 ; 0.006,107.505 0.006,116.767 ; 0.006,116.767 cw(c10.865,115.008) 10.663,126.006 ; 0.006,116.767 cw(c10.865,115.008) 10.663,126.006 ; 1.149,21.307 ccw(c-0.994,23.406) 2.006,23.406 ; 1.149,21.307 ccw(c-0.994,23.406) 2.006,23.406 ; 1.149,104.706 cw(c-0.994,102.606) 2.006,102.606 ; 1.149,104.706 cw(c-0.994,102.606) 2.006,102.606 ; 2.006,23.406 2.006,102.606 ; 2.006,23.406 2.006,102.606 ; 10.663,0.006 63.006,0.006 ; 10.663,0.006 63.006,0.006 ; 10.663,126.006 63.006,126.006 ; 10.663,126.006 63.006,126.006 ; 53.521,52.408 ccw(c55.521,52.408) 54.521,50.676 ; 53.521,52.408 ccw(c55.521,52.408) 54.521,50.676 ; 53.521,52.408 53.521,63.565 ; 53.521,52.408 53.521,63.565 ; 53.521,63.565 cw(c55.521,63.565) 54.521,65.297 ; 53.521,63.565 cw(c55.521,63.565) 54.521,65.297 ; 54.521,50.676 ccw(c59.521,59.336) 57.855,49.476 ; 54.521,50.676 ccw(c59.521,59.336) 57.855,49.476 ; 54.521,65.297 cw(c59.521,56.636) 57.855,66.496 ; 54.521,65.297 cw(c59.521,56.636) 57.855,66.496 ; 57.855,49.476 cw(c57.521,47.504) 59.521,47.504 ; 57.855,49.476 cw(c57.521,47.504) 59.521,47.504 ; 57.855,66.496 ccw(c57.521,68.469) 59.521,68.469 ; 57.855,66.496 ccw(c57.521,68.469) 59.521,68.469 ; 59.521,16.006 ccw(c62.521,16.006) 62.521,13.006 ; 59.521,16.006 ccw(c62.521,16.006) 62.521,13.006 ; 59.521,16.006 59.521,47.504 ; 59.521,16.006 59.521,47.504 ; 59.521,68.469 59.521,110.006 ; 59.521,68.469 59.521,110.006 ; 59.521,110.006 cw(c62.521,110.006) 62.521,113.006 ; 59.521,110.006 cw(c62.521,110.006) 62.521,113.006 ; 62.521,13.006 63.006,13.006 ; 62.521,13.006 63.006,13.006 ; 62.521,113.006 63.006,113.006 ; 62.521,113.006 63.006,113.006 ; 63.006,0.006 ccw(c63.006,3.006) 66.006,3.006 ; 63.006,0.006 ccw(c63.006,3.006) 66.006,3.006 ; 63.006,13.006 cw(c63.006,10.006) 66.006,10.006 ; 63.006,13.006 cw(c63.006,10.006) 66.006,10.006 ; 63.006,113.006 ccw(c63.006,116.006) 66.006,116.006 ; 63.006,113.006 ccw(c63.006,116.006) 66.006,116.006 ; 63.006,126.006 cw(c63.006,123.006) 66.006,123.006 ; 63.006,126.006 cw(c63.006,123.006) 66.006,123.006 ; 66.006,3.006 66.006,10.006 ; 66.006,116.006 66.006,123.006 ; 66.006,116.006 66.006,123.006

## Text inside footprints (layer, text, board x,y; h text height)
X21: Top Overlay "MA" at 53.041,110.466 h1.3 r90; Top Overlay "EN2" at 53.041,105.386 h1.3 r90; Top Overlay "EN1" at 53.041,102.866 h1.3 r90; Top Overlay "MB" at 53.041,97.766 h1.3 r90; Top Overlay "VCC" at 53.041,100.366 h1.3 r90; Top Overlay "GND" at 53.041,107.966 h1.3 r90
X22: Top Overlay "VCC" at 53.041,34.846 h1.3 r90; Top Overlay "EN1" at 53.041,37.346 h1.3 r90; Top Overlay "GND" at 53.041,42.446 h1.3 r90; Top Overlay "MB" at 53.041,32.246 h1.3 r90; Top Overlay "MA" at 53.041,44.946 h1.3 r90; Top Overlay "EN2" at 53.041,39.866 h1.3 r90
X25: Top Overlay "EN2" at 53.041,85.146 h1.3 r90; Top Overlay "GND" at 53.041,87.726 h1.3 r90; Top Overlay "MB" at 53.041,77.526 h1.3 r90; Top Overlay "VCC" at 53.041,80.126 h1.3 r90; Top Overlay "EN1" at 53.041,82.626 h1.3 r90; Top Overlay "MA" at 53.041,90.226 h1.3 r90
X26: Top Overlay "EN2" at 53.041,20.626 h1.3 r90; Top Overlay "VCC" at 53.041,15.606 h1.3 r90; Top Overlay "MB" at 53.041,13.006 h1.3 r90; Top Overlay "EN1" at 53.041,18.106 h1.3 r90; Top Overlay "MA" at 53.041,25.706 h1.3 r90; Top Overlay "GND" at 53.041,23.206 h1.3 r90